# Altium PCB PCB-MB202-00.PcbDoc (part 5 of 7)
Units mm, origin at the board's own origin, x right, y up, seen from the top; angles counter-clockwise.
Board outline 300.6 x 146 mm, 2 copper layers (Top Layer, Bottom Layer); 493 components, 371 nets, 1609 pads, 6249 vias.
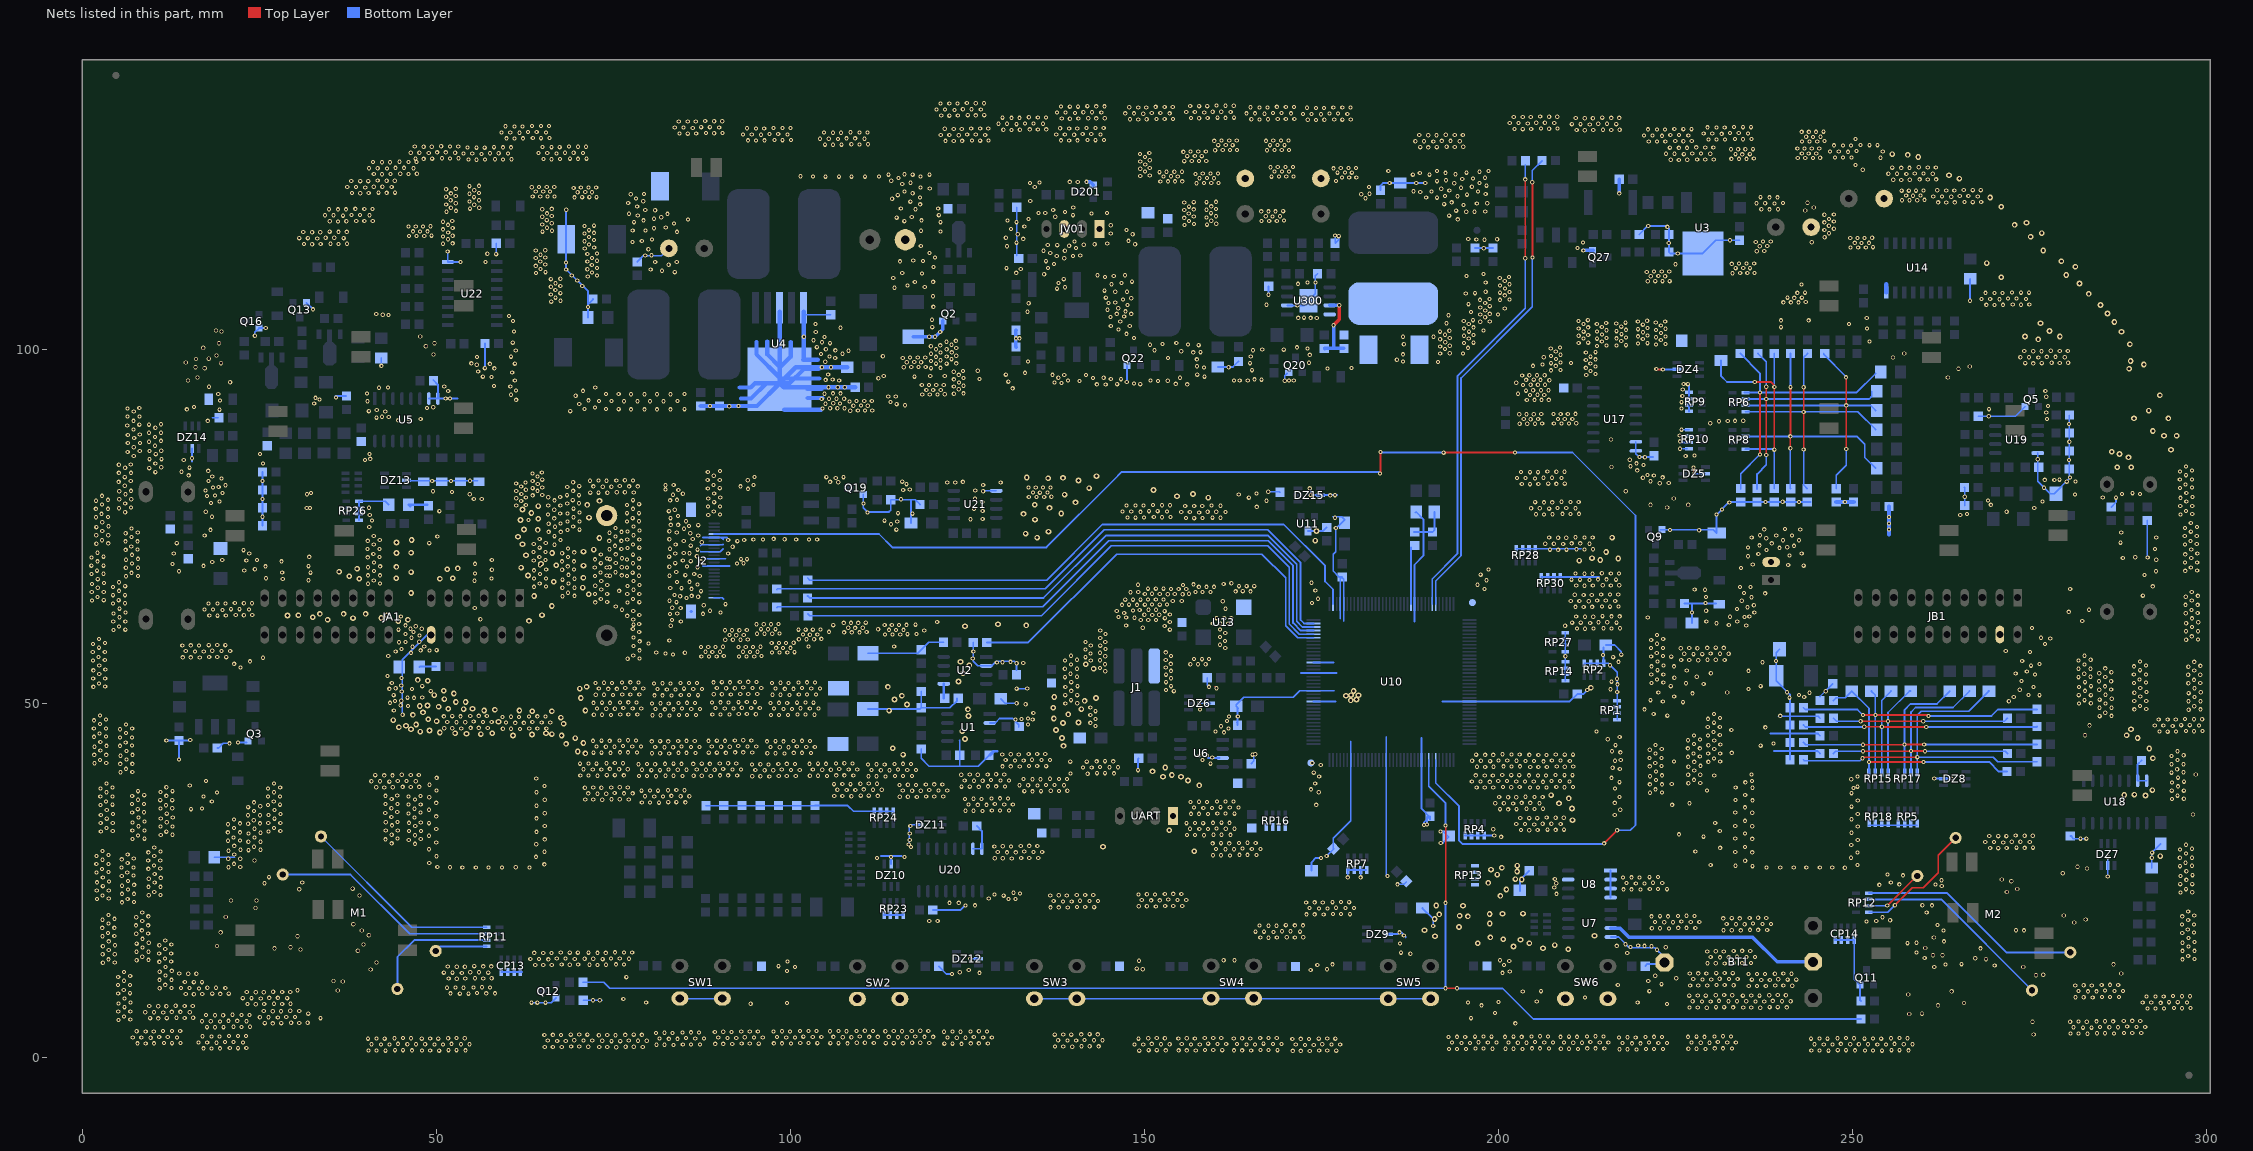
[diagram p5: the nets of this part, all layers, seen from the top]

## Via types
v1: diameter 0.6, hole 0.3, Top Layer to Bottom Layer, 5795 vias
v2: diameter 0.8, hole 0.4, Top Layer to Bottom Layer, 342 vias
v3: diameter 0.6, hole 0.4, Top Layer to Bottom Layer, 92 vias
v4: diameter 0.6, hole 0.3, Top Layer to Bottom Layer, tented both sides, 20 vias

## Nets (pads, with @x,y where several pads share a name; then routed paths per layer and width w, separated by ;. In a path a pad name is that pad's centre, name@x,y a point inside that pad or via, vN(x,y) a via of type N, cw(c..) or ccw(c..) an arc to the next point about the centre after c; other vN are vias at no path point) (continued)
GND: (continued)
  other v1: 50.457,77.216 82.868,77.216 150.686,77.216 151.905,77.216 127.191,77.241 297.142,77.241 66.686,77.419 83.706,77.419 231.61,77.445 125.972,77.521 1.943,77.546 3.645,77.546 77.813,77.546 69.406,77.572 207.201,77.572 5.22,77.622 204.661,77.622 205.88,77.622 210.935,77.622 31.725,77.648 32.207,77.648 208.395,77.673 209.614,77.673 275.705,77.673 40.526,77.699 6.922,77.749 165.9,77.826 88.405,77.876 90.107,77.876 157.061,77.927 158.204,77.927 155.791,77.953 296.329,77.953 298.031,77.953 160.795,77.978 148.781,78.003 149.924,78.003 159.525,78.003 61.329,78.029 65.848,78.029 67.55,78.029 147.511,78.029 152.515,78.054 153.658,78.054 62.675,78.08 76.975,78.08 151.245,78.08 269.583,78.105 2.807,78.156 78.677,78.207 6.084,78.283 68.517,78.283 110.376,78.308 70.193,78.334 18.199,78.359 232.652,78.435 206.49,78.461 207.633,78.461 89.269,78.486 205.22,78.486 248.958,78.491 127.14,78.511 210.223,78.511 211.366,78.511 237.757,78.516 242.481,78.516 208.953,78.537 240.18,78.537 19.419,78.562 297.193,78.562 276.873,78.588 62.014,78.664 1.969,78.689 167.272,78.689 269.177,78.715 66.737,78.74 83.058,78.74 69.304,78.765 77.813,78.765 3.671,78.816 84.011,78.816 5.245,78.892 6.947,78.892 115.659,78.892 25.469,78.918 55.334,78.943 56.452,78.943 126.124,78.994 88.43,79.019 61.329,79.045 296.355,79.096 164.783,79.121 62.675,79.146 90.132,79.146 285.382,79.146 65.848,79.172 133.719,79.197 134.785,79.197 135.878,79.197 67.524,79.223 298.057,79.223 136.894,79.248 265.899,79.248 17.641,79.35 2.807,79.375 18.758,79.426 63.64,79.451 176.289,79.451 68.491,79.477 70.193,79.477 176.949,79.479 64.986,79.502 83.452,79.527 163.36,79.553 281.47,79.553 6.134,79.604 31.775,79.604 54.75,79.604 62.04,79.629 288.1,79.629 290.64,79.629 84.849,79.68 89.269,79.705 165.875,79.705 289.573,79.756 19.85,79.781 32.334,79.781 297.193,79.781 74.19,79.807 71.777,79.832 72.92,79.832 135.268,79.832 77.923,79.858 134.303,79.858 136.335,79.858 75.51,79.883 76.653,79.883 52.235,79.934 5.245,80.035 49.568,80.035 61.329,80.061 6.922,80.086 64.326,80.086 69.355,80.086 17.437,80.137 126.149,80.137 84.214,80.213 115.964,80.213 62.675,80.239 116.904,80.264 82.385,80.289 94.044,80.366 88.38,80.416 63.64,80.467 90.056,80.467 296.304,80.493 277.102,80.518 133.668,80.543 134.684,80.543 135.7,80.543 297.98,80.543 18.479,80.569 64.986,80.569 136.767,80.569 19.292,80.62 68.517,80.62 73.529,80.67 74.748,80.67 62.014,80.696 72.208,80.721 77.263,80.721 78.482,80.721 93.002,80.721 70.219,80.747 75.942,80.772 6.033,80.797 20.257,80.874 82.385,80.874 89.167,80.899 127.267,80.899 83.554,80.924 94.831,80.924 297.091,80.975 116.447,81.026 204.483,81.026 64.351,81.051 203.34,81.051 205.677,81.051 208.217,81.077 207.074,81.102 209.411,81.102 61.303,81.128 222.822,81.153 224.092,81.178 62.624,81.255 129.731,81.255 122.187,81.28 123.33,81.28 69.355,81.305 106.795,81.305 5.169,81.356 105.652,81.356 124.397,81.356 115.837,81.382 280.302,81.382 281.547,81.407 221.526,81.432 17.869,81.458 25.469,81.458 6.871,81.483 49.448,81.483 52.108,81.483 63.64,81.483 54.775,81.511 71.726,81.509 74.063,81.509 72.92,81.534 75.46,81.559 77.796,81.559 76.653,81.585 94.018,81.585 88.354,81.61 90.056,81.61 278.549,81.61 277.203,81.636 64.986,81.661 279.286,81.661 296.279,81.686 297.98,81.686 19.698,81.813 205.194,81.839 202.654,81.89 203.873,81.89 208.928,81.89 106.439,81.915 206.388,81.94 207.607,81.94 220.434,81.94 280.759,81.966 223.228,81.991 6.033,82.017 105.118,82.017 107.531,82.017 94.958,82.042 18.377,82.093 64.326,82.118 89.218,82.22 221.984,82.245 15.05,82.271 297.142,82.296 221.095,82.321 63.615,82.55 5.195,82.626 6.896,82.626 64.935,82.677 10.351,82.728 204.483,82.728 205.626,82.728 88.38,82.753 203.213,82.753 14.034,82.779 208.217,82.779 209.36,82.779 206.947,82.804 296.304,82.829 90.081,82.88 17.818,82.906 298.006,82.956 219.647,82.982 9.487,83.287 6.084,83.337 15.177,83.363 11.189,83.414 297.142,83.515 218.682,83.566 220.51,83.744 5.195,83.769 6.871,83.82 10.351,83.947 25.54,83.947 219.52,83.972 39.967,84.43 14.364,84.455 280.632,84.455 218.58,84.48 9.513,84.557 11.214,84.557 276.213,84.555 40.704,84.607 15.535,84.684 220.714,84.836 219.952,84.866 7.303,85.014 226.479,85.014 227.724,85.065 10.402,85.268 25.134,85.293 40.602,85.293 6.439,85.573 8.141,85.7 9.513,85.7 11.189,85.75 225.667,86.03 7.303,86.233 10.3,86.462 6.465,86.843 8.166,86.843 9.436,87.02 280.669,87.02 225.692,87.071 11.138,87.147 7.354,87.554 10.3,87.681 225.641,87.884 6.465,87.986 8.141,88.036 9.462,88.29 11.164,88.29 7.252,88.748 10.351,89.002 6.388,89.306 8.09,89.433 9.462,89.433 11.138,89.484 280.632,89.535 203.035,89.56 204.102,89.56 205.194,89.56 207.861,89.586 208.928,89.586 210.02,89.586 206.21,89.611 211.036,89.637 229.959,89.637 231.178,89.916 232.423,89.941 7.252,89.967 17.742,89.967 233.464,89.967 234.607,89.992 44.641,90.043 46.165,90.17 204.585,90.195 203.619,90.221 205.651,90.221 209.411,90.221 47.816,90.246 208.445,90.246 210.477,90.246 277.52,90.246 41.593,90.424 43.32,90.5 42.355,90.551 6.414,90.576 8.116,90.576 269.278,90.627 202.984,90.907 204,90.907 205.016,90.907 206.083,90.932 207.81,90.932 208.826,90.932 209.842,90.932 210.909,90.957 277.406,91.161 7.303,91.288 42.812,91.288 40.501,91.338 68.949,91.338 108.496,91.389 109.563,91.415 110.579,91.415 111.595,91.415 41.618,91.491 19.419,91.549 14.796,91.592 77.534,91.592 79.439,91.592 81.217,91.592 83.122,91.592 75.781,91.618 85.078,91.618 269.329,91.618 70.955,91.643 74.003,91.643 6.414,91.719 104.585,91.719 225.895,91.719 105.652,91.745 106.668,91.745 107.684,91.745 8.09,91.77 48.73,91.796 72.428,91.846 49.594,91.897 15.812,91.923 91.402,92.024 92.698,92.05 277.66,92.05 88.684,92.075 108.928,92.1 110.96,92.1 109.995,92.126 116.218,92.177 115.05,92.329 70.219,92.354 104.991,92.38 32.779,92.431 107.049,92.431 106.083,92.456 225.895,92.608 114.161,92.634 108.369,92.71 40.297,92.735 76.543,92.735 78.448,92.735 80.226,92.735 82.131,92.735 74.791,92.761 84.087,92.761 109.385,92.761 110.478,92.761 111.544,92.761 73.013,92.786 19.495,92.837 71.539,92.862 204.051,92.913 61.303,92.939 205.118,92.939 206.134,92.939 207.15,92.939 33.541,92.989 104.458,93.04 105.474,93.091 106.566,93.091 107.633,93.091 32.955,93.218 35.878,93.269 277.406,93.37 113.856,93.396 114.923,93.421 226.015,93.472 69.711,93.523 204.483,93.624 206.515,93.624 60.567,93.65 205.55,93.65 118.656,93.675 119.723,93.675 120.815,93.675 77.534,93.726 79.439,93.726 81.217,93.726 83.122,93.726 121.831,93.726 75.781,93.751 85.078,93.751 19.241,93.777 74.003,93.777 104.839,93.802 123.127,93.802 202.807,93.802 40.247,93.828 106.058,93.853 107.125,93.853 124.473,93.853 51.702,94.183 277.279,94.183 70.752,94.209 203.924,94.234 61.278,94.259 204.94,94.285 206.032,94.285 207.099,94.285 120.206,94.31 119.241,94.336 121.273,94.336 226.073,94.386 123.813,94.437 131.433,94.564 41.948,94.64 43.193,94.666 72.479,94.666 105.423,94.717 106.718,94.717 107.709,94.717 17.92,94.793 51.143,94.818 60.49,94.818 123.127,94.818 58.179,94.894 124.473,94.92 118.606,95.021 119.622,95.021 120.638,95.021 121.704,95.047 203.518,95.047 204.585,95.072 205.601,95.072 206.617,95.072 144.564,95.098 143.32,95.123 156.096,95.123 146.19,95.148 149.441,95.148 154.47,95.199 148.552,95.25 138.341,95.326 202.553,95.352 137.325,95.377 123.838,95.402 20.917,95.428 147.536,95.453 130.823,95.504 151.956,95.58 140.881,95.606 153.327,95.631 106.922,95.656 139.256,95.656 162.7,95.656 163.487,95.656 164.63,95.656 61.125,95.682 150.914,95.682 170.472,95.682 171.133,95.682 207.226,95.707 105.017,95.758 203.95,95.758 205.982,95.758 166.561,95.783 205.016,95.783 106.007,95.809 123.127,95.834 165.596,95.834 146.749,95.86 126.759,95.885 145.301,95.885 112.459,95.987 124.473,96.012 142.761,96.012 137.884,96.063 144.285,96.063 155.08,96.063 57.823,96.164 56.604,96.215 117.564,96.215 158.509,96.215 113.221,96.291 119.799,96.291 121.831,96.291 203.391,96.368 204.407,96.418 205.499,96.418 206.566,96.418 138.722,96.444 141.796,96.444 212.433,96.444 123.813,96.469 137.046,96.469 130.467,96.495 157.493,96.495 105.372,96.52 213.754,96.571 133.185,96.749 60.744,96.799 123.101,96.901 55.944,96.952 213.043,97.003 124.422,97.028 126.505,97.053 207.455,97.104 165.24,97.13 208.801,97.155 175.883,97.358 58.23,97.384 119.901,97.409 179.286,97.434 121.247,97.46 212.382,97.46 158.458,97.511 104.483,97.536 105.779,97.536 116.04,97.536 161.938,97.536 117.107,97.561 118.123,97.561 119.139,97.561 213.729,97.638 157.468,97.688 42.266,97.739 204.915,97.739 208.141,97.739 55.741,97.892 206.261,97.917 57.595,98.019 61.125,98.044 120.587,98.044 122.111,98.044 213.017,98.069 54.979,98.095 123.457,98.095 275.578,98.095 164.935,98.12 207.455,98.12 274.435,98.12 276.771,98.12 210.3,98.146 279.311,98.146 173.266,98.171 278.168,98.171 280.505,98.171 208.801,98.222 116.472,98.247 118.504,98.247 117.539,98.273 191.504,98.273 104.966,98.323 133.592,98.349 186.551,98.349 119.901,98.425 121.247,98.527 212.382,98.552 185.687,98.603 157.442,98.654 213.729,98.654 122.797,98.679 208.166,98.704 106.363,98.857 115.913,98.857 153.378,98.857 116.929,98.908 118.021,98.908 119.088,98.908 276.289,98.908 206.439,98.958 273.749,98.958 274.968,98.958 280.023,98.958 55.791,98.984 120.612,99.009 277.483,99.009 278.702,99.009 60.592,99.035 213.043,99.035 105.55,99.06 122.111,99.06 165.062,99.06 113.094,99.085 207.455,99.136 123.457,99.162 173.393,99.289 208.801,99.314 186.576,99.365 104.356,99.416 107.404,99.441 119.901,99.441 191.808,99.466 195.034,99.466 193.155,99.517 121.247,99.619 212.382,99.619 122.822,99.644 156.934,99.644 157.976,99.67 213.729,99.67 208.141,99.771 155.232,99.797 275.578,99.797 276.721,99.797 274.308,99.822 279.311,99.847 280.454,99.847 108.242,99.873 278.041,99.873 61.252,99.898 106.388,99.924 151.473,99.949 165.367,99.949 169.71,100.025 166.688,100.051 105.042,100.076 120.587,100.076 122.111,100.076 192.494,100.101 173.089,100.203 207.429,100.203 123.457,100.254 195.745,100.279 208.75,100.33 171.59,100.355 103.772,100.381 191.808,100.482 119.876,100.508 213.957,100.559 193.155,100.584 215.303,100.609 216.7,100.609 121.196,100.635 157.696,100.66 218.047,100.66 122.797,100.711 150.838,100.711 156.198,100.762 222.288,100.762 186.678,100.787 223.635,100.813 152.591,100.838 219.748,100.889 105.626,100.94 221.095,100.94 154.547,100.965 195.161,100.965 211.366,100.965 60.821,101.016 196.507,101.016 212.713,101.016 104.509,101.067 192.52,101.067 122.085,101.143 214.643,101.194 252.438,101.194 217.386,101.244 123.406,101.27 103.289,101.346 222.974,101.397 191.808,101.498 220.434,101.524 213.957,101.575 195.847,101.6 212.052,101.6 131.89,101.625 132.398,101.625 216.7,101.625 148.552,101.676 193.155,101.676 215.303,101.676 218.047,101.727 222.288,101.778 104.864,101.829 119.647,101.839 120.46,101.839 101.936,101.854 186.576,101.854 190.869,101.854 223.635,101.879 219.748,101.905 195.161,101.981 211.366,101.981 221.095,102.006 196.507,102.083 212.713,102.083 192.494,102.133 214.668,102.159 217.412,102.21 147.511,102.26 223,102.362 220.46,102.489 103.62,102.514 121.189,102.533 191.783,102.565 195.872,102.565 212.078,102.565 60.998,102.591 213.957,102.591 216.7,102.641 193.104,102.692 197.93,102.718 215.303,102.768 222.288,102.794 218.047,102.819 146.393,102.87 219.748,102.921 223.635,102.972 195.161,102.997 211.366,102.997 252.108,102.997 221.095,103.099 107.099,103.124 196.507,103.175 212.713,103.175 120.079,103.2 239.941,103.2 214.643,103.226 217.386,103.276 145.301,103.353 147.968,103.353 222.974,103.429 220.434,103.556 103.594,103.632 195.847,103.632 212.052,103.632 213.932,103.657 249.543,103.657 216.675,103.708 192.697,103.759 215.253,103.784 217.996,103.835 222.263,103.861 197.473,103.962 146.622,103.988 219.723,103.988 223.584,103.988 198.819,104.013 60.871,104.064 195.136,104.064 211.341,104.064 221.044,104.115 239.941,104.165 243.853,104.165 196.457,104.191 212.662,104.191 120.028,104.242 174.384,104.496 252.057,104.496 171.768,104.521 173.52,104.521 172.581,104.546 198.158,104.597 145.25,104.648 147.181,104.699 60.287,104.775 192.977,104.877 43.282,104.927 42.469,104.953 197.473,104.978 199.962,105.004 41.554,105.054 146.139,105.08 148.171,105.08 198.819,105.08 196.152,105.359 133.515,105.385 147.384,105.435 198.184,105.562 144.818,105.664 200.927,105.842 146.342,105.867 197.473,105.994 71.438,106.045 120.231,106.07 198.819,106.172 171.641,106.277 147.663,106.324 270.091,106.324 268.948,106.35 271.285,106.35 167.297,106.375 273.825,106.375 272.682,106.401 275.019,106.401 195.796,106.451 133.693,106.578 144.971,106.604 198.158,106.629 145.911,106.68 240.272,106.705 241.338,106.705 242.431,106.705 243.447,106.756 66.256,106.807 67.577,106.934 197.447,107.061 200.241,107.061 147.028,107.112 201.587,107.112 270.802,107.137 198.768,107.188 268.262,107.188 269.482,107.188 274.536,107.188 271.996,107.239 273.215,107.239 148.171,107.29 241.821,107.34 66.866,107.366 144.59,107.366 240.856,107.366 242.888,107.366 120.18,107.569 200.927,107.696 66.205,107.823 195.415,107.95 67.552,108.001 196.736,108.001 270.091,108.026 271.234,108.026 242.253,108.052 268.821,108.052 200.241,108.077 243.32,108.077 273.825,108.077 274.968,108.077 272.555,108.102 201.587,108.179 145.911,108.204 147.587,108.204 198.235,108.204 144.412,108.356 66.84,108.433 137.681,108.636 200.952,108.661 114.745,108.763 138.824,108.839 119.012,108.864 66.205,108.915 67.552,109.017 70.65,109.017 116.574,109.093 200.241,109.093 242.837,109.22 145.377,109.271 201.587,109.271 171.742,109.322 66.866,109.398 137.91,109.423 146.8,109.449 173.089,109.499 174.206,109.499 198.235,109.525 117.615,109.576 120.206,109.601 148.298,109.626 221.12,109.677 222.187,109.703 223.203,109.703 224.219,109.703 200.927,109.728 69.933,109.785 66.205,109.982 138.646,109.982 67.552,110.033 114.567,110.134 200.216,110.16 144.463,110.287 201.537,110.287 71.412,110.363 221.552,110.388 223.584,110.388 222.619,110.414 145.707,110.439 195.542,110.439 72.733,110.49 69.152,110.515 143.396,110.541 147.308,110.541 135.878,110.668 197.93,110.719 118.631,110.769 233.109,110.82 64.123,110.846 115.837,110.846 234.176,110.846 235.192,110.846 236.208,110.846 131.941,110.871 72.022,110.922 65.443,110.973 83.706,110.973 220.993,110.998 222.009,111.049 223.101,111.049 224.168,111.049 81.903,111.176 80.302,111.354 71.362,111.379 64.732,111.404 132.576,111.404 130.569,111.531 233.541,111.531 235.573,111.531 72.708,111.557 136.436,111.557 234.607,111.557 120.257,111.709 64.072,111.862 71.997,111.989 82.842,112.014 65.418,112.039 225.032,112.09 137.275,112.116 232.982,112.141 233.998,112.192 235.09,112.192 236.157,112.192 68.339,112.319 56.96,112.395 80.937,112.395 83.985,112.42 64.707,112.471 71.362,112.471 115.532,112.497 136.132,112.522 118.783,112.56 72.708,112.573 117.386,112.624 138.722,112.928 64.072,112.954 72.022,112.954 65.418,113.055 120.472,113.055 137.656,113.259 139.967,113.259 79.547,113.309 140.983,113.335 80.429,113.36 64.732,113.436 71.362,113.538 57.239,113.563 72.708,113.589 225.362,113.622 119.672,113.665 136.741,113.69 236.512,113.919 237.579,113.944 135.776,113.995 138.799,113.995 64.072,114.021 65.418,114.071 79.972,114.198 70.999,114.313 197.955,114.351 140.373,114.376 211.214,114.376 72.32,114.44 249.771,114.452 250.838,114.452 251.93,114.452 252.946,114.503 118.462,114.647 130.645,114.63 236.944,114.63 238.011,114.656 139.408,114.706 137.732,114.783 136.386,114.808 141.466,114.833 71.608,114.872 32.5,114.91 143.015,114.91 148.73,114.91 31.357,114.935 33.693,114.935 36.233,114.96 35.09,114.986 37.427,114.986 50.991,114.986 144.793,115.011 52.337,115.037 224.092,115.087 251.321,115.087 250.355,115.113 252.387,115.113 131.966,115.138 211.976,115.164 244.285,115.189 77.737,115.214 236.385,115.24 237.401,115.291 238.494,115.291 70.948,115.329 140.17,115.316 79.058,115.367 147.79,115.392 232.753,115.473 72.294,115.507 198.082,115.545 80.48,115.57 196.914,115.595 51.677,115.621 199.86,115.621 195.771,115.646 132.931,115.672 33.211,115.722 30.671,115.773 31.89,115.773 36.945,115.773 249.72,115.799 250.736,115.799 251.752,115.799 34.405,115.824 35.624,115.824 130.467,115.824 252.819,115.824 246.114,115.9 71.583,115.939 50.991,116.002 46.165,116.078 47.232,116.078 48.324,116.078 52.337,116.103 49.34,116.129 132.144,116.332 148.374,116.332 70.948,116.422 145.276,116.434 246.723,116.459 72.294,116.523 51.702,116.586 32.5,116.611 33.643,116.611 31.23,116.637 36.233,116.662 37.376,116.662 84.011,116.662 34.963,116.688 65.037,116.688 47.714,116.713 121.234,116.713 46.749,116.738 48.781,116.738 66.358,116.815 118.491,116.815 79.566,116.84 77.762,116.865 71.608,116.904 147.511,116.916 246.063,116.916 50.991,117.018 131.204,117.069 247.409,117.094 80.76,117.17 52.337,117.196 65.647,117.246 82.436,117.272 223.889,117.373 46.114,117.424 47.13,117.424 48.146,117.424 133.084,117.424 49.213,117.45 70.948,117.488 221.196,117.5 72.294,117.539 246.698,117.526 145.276,117.602 155.715,117.627 51.677,117.653 158.865,117.678 64.986,117.704 157.036,117.754 160.185,117.805 83.604,117.831 66.332,117.881 246.063,118.008 77.966,118.034 121.234,118.034 131.966,118.034 50.965,118.085 247.409,118.11 36.132,118.135 34.989,118.161 37.326,118.161 116.135,118.174 39.866,118.186 156.325,118.186 38.723,118.212 41.059,118.212 52.286,118.212 166.586,118.212 167.653,118.212 168.745,118.212 159.474,118.237 130.696,118.262 169.761,118.262 79.286,118.288 118.555,118.288 65.621,118.313 85.586,118.415 194.298,118.43 133.668,118.466 246.723,118.491 80.76,118.516 155.664,118.643 115.05,118.669 158.814,118.694 81.801,118.72 117.183,118.77 64.986,118.796 137.452,118.796 157.01,118.821 168.136,118.847 160.16,118.872 167.17,118.872 169.202,118.872 66.332,118.897 36.843,118.948 193.078,118.948 78.474,118.974 34.303,118.999 35.522,118.999 40.577,118.999 121.006,119.024 139.967,119.024 38.037,119.05 39.256,119.05 246.063,119.075 247.409,119.126 82.665,119.202 77.254,119.228 142.558,119.253 156.299,119.253 65.647,119.278 159.449,119.304 135.065,119.329 136.03,119.329 144.768,119.329 138.824,119.482 51.473,119.507 195.491,119.507 196.66,119.507 198.184,119.532 166.535,119.558 167.551,119.558 168.567,119.558 169.634,119.583 52.794,119.634 194.069,119.659 80.937,119.71 155.664,119.736 79.54,119.761 137.148,119.761 158.814,119.786 36.132,119.837 37.275,119.837 157.01,119.837 238.316,119.837 34.862,119.863 64.986,119.863 117.691,119.863 237.173,119.863 239.51,119.863 39.866,119.888 41.009,119.888 160.16,119.888 38.596,119.913 66.332,119.913 54.775,119.939 115.634,119.964 120.904,119.964 52.083,120.066 56.096,120.066 139.992,120.117 156.325,120.218 78.397,120.244 159.474,120.269 195.11,120.472 55.385,120.498 51.423,120.523 118.364,120.548 192.367,120.574 196.99,120.65 239.027,120.65 52.769,120.701 198.463,120.701 236.487,120.701 237.706,120.701 77.127,120.726 240.221,120.752 155.664,120.802 263.284,120.802 193.434,120.828 262.141,120.828 264.478,120.828 157.01,120.853 158.814,120.853 267.018,120.853 265.875,120.879 268.212,120.879 160.16,120.904 116.98,120.929 54.725,120.955 79.261,120.98 133.922,121.031 52.058,121.133 56.071,121.133 257.036,121.133 258.102,121.133 259.195,121.133 260.211,121.183 114.415,121.336 78.245,121.361 181.267,121.412 191.377,121.488 118.326,121.514 189.827,121.514 69.558,121.539 238.316,121.539 239.459,121.539 55.36,121.564 70.625,121.564 71.641,121.564 72.657,121.564 237.046,121.564 51.423,121.615 263.995,121.615 63.64,121.641 64.707,121.666 65.723,121.666 66.739,121.666 261.455,121.666 262.674,121.666 267.729,121.666 194.272,121.691 52.769,121.717 265.189,121.717 266.408,121.717 192.494,121.742 258.585,121.768 257.62,121.793 259.652,121.793 115.202,121.844 195.593,121.92 77.483,121.971 180.658,121.971 198.235,121.996 79.363,122.022 54.725,122.047 181.826,122.047 52.083,122.098 39.281,122.123 117.31,122.123 38.138,122.149 40.475,122.149 56.071,122.149 43.015,122.174 41.872,122.199 44.209,122.199 69.99,122.25 72.022,122.25 71.057,122.276 188.989,122.301 64.072,122.352 66.104,122.352 116.142,122.352 65.139,122.377 190.589,122.377 197.142,122.377 188.049,122.403 256.985,122.479 258.001,122.479 259.017,122.479 193.104,122.504 260.084,122.504 263.284,122.504 264.427,122.504 55.385,122.53 262.014,122.53 267.018,122.555 268.161,122.555 265.748,122.58 51.423,122.682 52.769,122.733 191.961,122.758 119.723,122.784 69.431,122.86 194.755,122.885 70.447,122.911 71.539,122.911 72.606,122.911 118.402,122.911 39.993,122.936 63.513,122.961 37.453,122.987 38.672,122.987 43.726,122.987 134.557,122.987 64.529,123.012 65.621,123.012 66.688,123.012 181.75,123.012 41.186,123.038 42.406,123.038 196.279,123.038 54.725,123.114 56.071,123.165 198.362,123.19 115.837,123.419 157.391,123.52 193.79,123.52 133.871,123.546 158.458,123.546 159.474,123.546 160.49,123.546 184.671,123.571 188.43,123.571 197.371,123.571 117.005,123.596 135.217,123.647 140.627,123.698 139.484,123.723 152.286,123.774 153.353,123.8 154.369,123.8 155.385,123.8 39.281,123.825 40.424,123.825 191.377,123.825 38.011,123.85 177.102,123.85 43.015,123.876 44.158,123.876 114.288,123.876 41.745,123.901 192.621,123.952 256.934,124.003 255.791,124.028 258.128,124.028 260.668,124.054 259.525,124.079 261.862,124.079 194.933,124.13 196.457,124.206 157.823,124.231 159.855,124.231 115.304,124.257 158.89,124.257 198.133,124.308 177.94,124.333 178.956,124.333 179.972,124.333 104.991,124.46 106.896,124.46 108.674,124.46 110.579,124.46 167.983,124.46 103.239,124.485 112.535,124.485 118.428,124.485 152.718,124.485 154.75,124.485 169.05,124.485 170.066,124.485 171.082,124.485 101.461,124.511 153.785,124.511 149.441,124.562 150.787,124.612 113.881,124.739 117.31,124.739 119.698,124.739 187.948,124.739 190.31,124.739 42.355,124.79 116.142,124.79 193.967,124.79 41.212,124.816 43.549,124.816 257.645,124.816 46.089,124.841 157.264,124.841 44.946,124.866 47.282,124.866 255.105,124.866 256.324,124.866 261.379,124.866 158.28,124.892 159.373,124.892 160.439,124.892 258.839,124.917 260.058,124.917 188.938,124.968 192.57,124.993 177.305,125.019 179.337,125.019 195.542,125.019 178.372,125.044 152.159,125.095 153.175,125.146 154.267,125.146 155.334,125.146 197.346,125.146 168.415,125.171 170.447,125.171 150.127,125.197 169.482,125.197 184.493,125.247 191.377,125.273 198.641,125.273 251.498,125.425 149.441,125.578 43.066,125.603 176.746,125.628 40.526,125.654 41.745,125.654 46.8,125.654 150.787,125.679 177.762,125.679 178.854,125.679 179.921,125.679 44.26,125.705 45.479,125.705 256.934,125.705 258.077,125.705 255.664,125.73 260.668,125.755 261.811,125.755 167.856,125.781 259.398,125.781 168.872,125.832 169.964,125.832 171.031,125.832 250.457,126.111 150.152,126.162 42.355,126.492 43.498,126.492 41.085,126.517 46.089,126.543 47.232,126.543 44.819,126.568 149.441,126.594 155.664,126.644 156.731,126.67 157.747,126.67 158.763,126.67 150.787,126.771 225.514,126.822 55.715,126.848 224.371,126.848 226.708,126.848 54.572,126.873 56.909,126.873 229.248,126.873 59.449,126.898 228.105,126.898 230.442,126.898 58.306,126.924 60.643,126.924 66.307,126.924 65.164,126.949 67.501,126.949 48.248,126.975 70.041,126.975 232.931,126.975 233.998,126.975 235.09,126.975 47.105,127 49.441,127 68.898,127 71.235,127 51.981,127.025 236.106,127.025 50.838,127.051 53.175,127.051 242.304,127.076 243.37,127.076 244.463,127.076 245.479,127.127 253.988,127.127 248.704,127.152 247.561,127.178 249.898,127.178 150.127,127.229 156.096,127.356 158.128,127.356 157.163,127.381 234.48,127.61 226.225,127.635 233.515,127.635 235.547,127.635 56.426,127.66 149.416,127.66 223.685,127.686 224.905,127.686 229.959,127.686 53.886,127.711 55.106,127.711 60.16,127.711 243.853,127.711 67.018,127.737 227.419,127.737 228.638,127.737 242.888,127.737 244.92,127.737 57.62,127.762 58.839,127.762 48.959,127.787 64.478,127.787 65.697,127.787 70.752,127.787 150.737,127.787 46.419,127.838 47.638,127.838 52.693,127.838 68.212,127.838 69.431,127.838 50.153,127.889 51.372,127.889 155.537,127.965 249.416,127.965 156.553,128.016 157.645,128.016 158.712,128.016 246.876,128.016 248.095,128.016 254.318,128.016 250.609,128.067 160.033,128.194 167.348,128.194 161.1,128.219 162.116,128.219 163.132,128.219 168.415,128.219 169.431,128.219 170.447,128.219 232.88,128.321 233.896,128.321 234.912,128.321 235.979,128.346 242.253,128.422 243.269,128.422 244.285,128.422 245.352,128.448 225.514,128.524 226.657,128.524 55.715,128.549 56.858,128.549 224.244,128.549 54.445,128.575 229.248,128.575 230.391,128.575 59.449,128.6 60.592,128.6 190.132,128.6 227.978,128.6 58.179,128.626 66.307,128.626 67.45,128.626 188.989,128.626 191.326,128.626 65.037,128.651 193.866,128.651 48.248,128.676 49.391,128.676 70.041,128.676 71.184,128.676 192.723,128.676 195.06,128.676 46.978,128.702 68.771,128.702 51.981,128.727 53.124,128.727 50.711,128.753 248.704,128.854 249.847,128.854 247.434,128.88 160.465,128.905 162.497,128.905 167.78,128.905 169.812,128.905 252.438,128.905 253.581,128.905 161.532,128.93 168.847,128.93 251.168,128.93 106.058,128.956 104.915,128.981 107.252,128.981 109.792,129.007 108.649,129.032 110.986,129.032 190.843,129.413 222.415,129.413 221.272,129.438 223.609,129.438 242.913,129.438 243.98,129.438 245.072,129.438 188.303,129.464 189.522,129.464 194.577,129.464 226.149,129.464 123.101,129.489 225.006,129.489 227.343,129.489 246.088,129.489 121.958,129.515 124.295,129.515 159.906,129.515 167.221,129.515 192.037,129.515 193.256,129.515 126.835,129.54 95.187,129.565 125.692,129.565 128.029,129.565 139.408,129.565 160.922,129.565 162.014,129.565 163.081,129.565 168.237,129.565 169.329,129.565 170.396,129.565 94.044,129.591 96.381,129.591 138.265,129.591 140.602,129.591 98.921,129.616 143.142,129.616 97.778,129.642 100.114,129.642 141.999,129.642 144.336,129.642 230.848,129.692 229.705,129.718 232.042,129.718 234.582,129.743 106.769,129.769 233.439,129.769 235.776,129.769 250.482,129.794 104.229,129.819 105.448,129.819 110.503,129.819 61.075,129.845 59.932,129.87 62.268,129.87 107.963,129.87 109.182,129.87 64.808,129.896 63.665,129.921 66.002,129.921 244.463,130.073 243.497,130.099 245.529,130.099 223.127,130.226 220.587,130.277 221.806,130.277 226.86,130.277 123.813,130.302 190.132,130.302 191.275,130.302 188.862,130.327 224.32,130.327 225.54,130.327 121.273,130.353 122.492,130.353 127.546,130.353 193.866,130.353 195.009,130.353 95.898,130.378 140.119,130.378 192.596,130.378 125.006,130.404 126.226,130.404 93.358,130.429 94.577,130.429 99.632,130.429 137.579,130.429 138.799,130.429 143.853,130.429 97.092,130.48 98.311,130.48 141.313,130.48 142.532,130.48 231.559,130.505 85.535,130.531 84.392,130.556 86.729,130.556 229.019,130.556 230.239,130.556 235.293,130.556 89.269,130.581 88.126,130.607 90.462,130.607 232.753,130.607 233.972,130.607 61.786,130.658 106.058,130.658 107.201,130.658 104.788,130.683 59.246,130.708 60.465,130.708 65.52,130.708 109.792,130.708 110.935,130.708 108.522,130.734 62.98,130.759 64.199,130.759 242.862,130.785 243.878,130.785 244.894,130.785 245.961,130.81 212.23,131.013 211.087,131.039 213.424,131.039 131.255,131.064 215.964,131.064 130.112,131.089 132.449,131.089 214.821,131.089 217.158,131.089 134.989,131.115 222.415,131.115 223.558,131.115 133.846,131.14 136.182,131.14 221.145,131.14 203.467,131.166 226.149,131.166 227.292,131.166 123.101,131.191 124.244,131.191 202.324,131.191 204.661,131.191 224.879,131.191 121.831,131.216 207.201,131.216 126.835,131.242 127.978,131.242 206.058,131.242 208.395,131.242 95.187,131.267 96.33,131.267 125.565,131.267 139.408,131.267 140.551,131.267 93.917,131.293 138.138,131.293 98.921,131.318 100.064,131.318 143.142,131.318 144.285,131.318 86.246,131.343 97.651,131.343 141.872,131.343 83.706,131.394 84.925,131.394 89.98,131.394 230.848,131.394 231.991,131.394 229.578,131.42 87.44,131.445 88.659,131.445 234.582,131.445 235.725,131.445 233.312,131.47 61.075,131.547 62.218,131.547 59.805,131.572 64.808,131.597 65.951,131.597 63.538,131.623 212.941,131.826 131.966,131.877 210.401,131.877 211.62,131.877 216.675,131.877 129.426,131.928 130.645,131.928 135.7,131.928 214.135,131.928 215.354,131.928 133.16,131.978 134.379,131.978 204.178,131.978 201.638,132.029 202.857,132.029 207.912,132.029 205.372,132.08 206.591,132.08 85.535,132.232 86.678,132.232 84.265,132.258 89.269,132.283 90.412,132.283 87.999,132.309 174.257,132.461 173.114,132.486 175.451,132.486 177.991,132.512 149.162,132.537 166.281,132.537 176.848,132.537 179.185,132.537 148.019,132.563 150.356,132.563 165.138,132.563 167.475,132.563 152.896,132.588 170.015,132.588 151.753,132.613 154.089,132.613 168.872,132.613 171.209,132.613 139.51,132.639 138.367,132.664 140.704,132.664 143.244,132.69 142.101,132.715 144.437,132.715 157.772,132.715 212.23,132.715 213.373,132.715 156.629,132.74 158.966,132.74 210.96,132.74 131.255,132.766 132.398,132.766 161.506,132.766 215.964,132.766 217.107,132.766 129.985,132.791 160.363,132.791 162.7,132.791 214.694,132.791 134.989,132.817 136.132,132.817 133.719,132.842 203.467,132.867 204.61,132.867 202.197,132.893 207.201,132.918 208.344,132.918 205.931,132.944 122.492,133.071 121.349,133.096 123.686,133.096 126.226,133.121 125.083,133.147 127.419,133.147 174.968,133.274 172.428,133.325 173.647,133.325 178.702,133.325 149.873,133.35 166.993,133.35 176.162,133.375 177.381,133.375 147.333,133.401 148.552,133.401 153.607,133.401 164.453,133.401 165.672,133.401 170.726,133.401 140.221,133.452 151.067,133.452 152.286,133.452 168.186,133.452 169.406,133.452 137.681,133.502 138.9,133.502 143.955,133.502 158.484,133.528 141.415,133.553 142.634,133.553 155.944,133.579 157.163,133.579 162.217,133.579 159.677,133.629 160.897,133.629 123.203,133.883 120.663,133.934 121.882,133.934 126.937,133.934 124.397,133.985 125.616,133.985 174.257,134.163 175.4,134.163 172.987,134.188 177.991,134.214 179.134,134.214 149.162,134.239 150.305,134.239 166.281,134.239 167.424,134.239 176.721,134.239 147.892,134.264 165.011,134.264 152.896,134.29 154.039,134.29 170.015,134.29 171.158,134.29 151.626,134.315 168.745,134.315 139.51,134.341 140.653,134.341 138.24,134.366 143.244,134.391 144.387,134.391 141.974,134.417 157.772,134.417 158.915,134.417 156.502,134.442 161.506,134.468 162.649,134.468 160.236,134.493 122.492,134.772 123.635,134.772 121.222,134.798 126.226,134.823 127.369,134.823 124.956,134.849
  other v2: 209.893,15.342 206.337,15.494 202.172,15.74 207.988,15.926 197.117,16.18 204.407,16.18 203.162,16.688 200.724,16.764 198.895,17.018 191.072,17.17 213.602,17.247 189.599,18.03 194.475,18.491 198.819,18.974 191.021,19.609 195.72,19.99 194.552,20.066 191.681,20.269 198.793,20.32 200.622,20.345 203.518,20.371 195.034,21.488 191.25,21.514 200.317,22.885 201.156,23.774 198.59,24.714 203.34,25.197 202.426,25.248 199.86,25.883 202.68,26.314 198.997,26.594 200.521,26.848 202.705,27.153 293.51,28.499 157.087,29.185 144.183,29.82 153.556,32.156 210.503,33.579 210.427,35.23 208.598,35.941 209.969,36.652 291.427,37.059 207.48,37.109 288.43,37.135 289.852,37.186 292.392,37.821 157.772,38.481 156.198,39.167 152.667,39.7 155.207,39.7 153.912,39.954 151.168,40.462 152.972,41.021 292.469,42.316 115.964,42.824 71.082,43.002 70.015,43.282 291.961,43.688 114.491,43.739 138.621,44.069 68.364,44.348 70.803,44.475 124.702,45.034 69.66,45.161 138.392,45.187 290.31,45.187 60.871,45.542 67.729,45.542 288.76,45.568 63.538,45.669 56.325,45.72 66.358,45.72 54.293,45.771 52.693,45.847 57.925,45.847 65.52,45.847 50.534,45.949 47.765,46.076 124.295,46.152 49.06,46.228 137.554,46.304 46.444,46.406 289.37,46.406 44.742,46.685 45.758,46.914 47.181,47.092 68.009,47.193 138.545,47.295 140.729,47.371 58.814,47.473 50.076,47.549 43.955,47.701 48.883,47.828 137.249,47.93 67.628,48.057 125.184,48.285 46.724,48.438 139.281,48.514 48.146,48.793 63.589,48.946 66.358,48.946 113.983,49.047 56.782,49.073 61.76,49.073 71.082,49.073 58.306,49.174 125.108,49.225 53.886,49.251 141.135,49.251 51.727,49.301 55.131,49.301 137.173,49.454 50.356,49.581 47.689,49.708 48.781,49.759 116.497,49.911 52.794,50.267 54.166,50.267 141.593,50.419 179.185,50.495 114.745,50.622 179.997,50.622 51.169,50.673 70.447,50.825 143.193,50.825 137.3,50.978 115.786,51.156 178.499,51.156 180.277,51.206 49.746,51.232 179.21,51.232 52.515,51.46 179.591,51.816 51.092,51.841 70.295,52.146 213.094,52.273 113.805,52.4 71.26,52.426 123.787,53.162 48.832,53.264 47.409,53.391 124.422,54.305 142.863,54.966 125.311,55.448 141.745,55.601 124.067,55.956 124.702,60.96 133.338,61.087 129.35,61.239 44.666,61.671 63.132,61.722 34.684,61.874 46.012,61.874 38.265,62.103 42.253,62.128 32.576,62.23 29.02,62.484 30.544,62.509 43.066,62.509 64.961,62.535 33.592,62.713 36.945,62.713 40.043,62.713 66.358,63.83 63.843,65.227 71.565,65.481 46.47,65.659 70.701,66.421 66.612,67.234 39.154,67.666 50.534,67.666 44.361,67.742 52.362,67.742 70.803,67.818 37.732,68.021 62.98,68.123 46.47,68.605 36.31,68.656 51.575,69.012 38.85,69.088 53.048,69.139 62.014,69.24 44.387,69.342 70.828,69.52 66.967,69.571 64.808,69.799 211.443,70.231 214.414,70.307 216.954,70.536 213.246,70.587 62.7,70.993 44.412,71.298 66.383,71.298 46.47,71.349 215.253,71.45 70.828,71.501 72.276,71.78 62.192,72.542 44.412,72.796 174.155,73.05 46.546,73.152 73.063,73.431 134.887,73.482 216.091,73.482 61.557,73.609 133.261,74.041 136.487,74.32 174.333,74.422 64.351,74.574 62.421,74.625 61.913,75.971 134.582,76.022 64.427,76.149 71.59,76.302 132.957,76.835 138.291,76.886 63.462,76.962 62.192,77.445 136.64,77.673 64.427,77.927 71.336,78.105 134.557,78.13 140.297,78.461 73.089,78.664 159.042,79.121 154.648,79.324 138.773,79.553 156.909,79.629 151.321,80.213 142.228,80.467 140.729,81.534 136.436,81.864 138.545,81.915 133.414,81.966 143.269,82.169 287.439,83.414 289.421,83.414 289.014,84.811 287.744,85.293 286.652,85.598 295.034,85.877 294.043,87.859 295.821,87.859 292.469,88.544 289.802,90.322 294.653,90.322 291.884,91.415 293.459,93.574 289.116,97.333 291.199,97.917 289.319,98.425 289.217,100.787 276.289,101.473 274.409,101.879 279.337,101.879 288.024,102.565 277.864,102.667 276.594,103.759 287.033,103.937 286.068,105.131 285.077,106.324 283.401,107.899 282.105,109.372 271.056,110.261 280.226,110.566 281.521,111.735 268.999,112.243 279.54,112.522 276.975,114.021 275.197,115.976 276.771,116.484 272.936,117.653 274.612,117.958 271.056,120.218 269.482,121.514 265.138,124.181 263.665,124.663 259.322,127.229 257.848,127.533 255.664,127.635
  other v3: 275.628,3.302 275.451,5.105 258.052,6.198 259.855,6.248 262.116,7.417 265.773,7.747 257.925,8.966 264.046,9.398 36.106,9.525 36.818,10.795 35.497,10.846 275.959,11.659 276.975,11.735 287.998,11.913 40.755,12.497 274.155,12.827 286.906,13.208 41.593,13.462 268.897,13.945 267.373,14.072 261.404,14.503 262.751,14.503 38.951,15.138 30.852,15.319 27.191,15.469 260.312,15.519 29.452,15.621 19.063,15.799 39.764,16.027 261.531,17.018 30.442,17.17 40.501,17.323 19.571,17.729 39.51,17.983 38.316,18.872 281.369,19.126 282.969,19.533 20.282,19.888 279.87,20.091 24.499,21.184 21.044,22.225 24.626,22.225 39.18,22.936 271.844,23.444 30.671,23.825 273.317,23.851 38.215,23.901 272.479,24.943 271.133,25.197 279.743,26.086 283.172,26.746 281.826,27 24.346,27.889 298.133,34.366 298.514,40.03 282.867,45.568 283.502,46.965 232.347,51.613 223.863,77.749 221.501,78.105 226.835,78.105 224.803,78.994 218.021,80.035 215.989,83.464 215.938,87.325 14.948,95.656 16.32,96.088 263.513,96.088 265.011,97.333 17.31,97.409 16.015,97.536 266.611,97.663 19.622,98.12 14.643,98.196 16.091,98.704 17.895,98.755 255.766,98.908 18.987,99.212 49.645,99.339 257.34,99.466 17.107,100.279 48.552,100.508 19.342,100.94 49.772,100.94 47.765,101.879 19.698,102.591 18.911,102.743 243.37,119.685 244.564,120.091 243.701,120.777
LCD-PWM: J2.19 U10.6 | length 225.6
  Top Layer w0.25: v1@183.376,82.499 v1(183.376,85.573) ; v1(192.302,85.482) 202.389,85.482 v1(202.375,85.496) ; v1(214.973,30.302) 216.802,32.131 v1(216.802,32.156)
  Bottom Layer w0.25: J2.19@89.264,73.983 101.867,73.983 ; 102.038,73.983 101.867,73.983 ; 145.784,81.686 145.669,81.572 ; v1@183.376,82.499 183.376,82.575 183.198,82.753 146.85,82.753 145.669,81.572 ; v1(183.376,85.573) 183.466,85.482 191.834,85.482 ; U10.6@191.187,42.093 191.187,38.821 194.475,35.533 194.475,30.683 194.933,30.226 214.897,30.226 v1(214.973,30.302) ; v1@192.062,85.482 191.834,85.482 ; v1(192.302,85.482) 191.834,85.482 ; v1(202.375,85.496) 210.503,85.496 219.393,76.606 219.393,32.864 218.671,32.142 216.817,32.142 v1(216.802,32.156) ; 101.867,73.983 112.557,73.983 114.445,72.095 136.192,72.095 145.669,81.572
  other v1: 183.325,82.55
LED_BK: R75.1 R76.1 U10.8 | length 225.4
  Top Layer w0.25: v1@192.549,9.83 v1(192.57,9.83) v1(194.196,9.83) ; v1(192.57,32.817) 192.596,32.791 v1@192.596,21.895
  Bottom Layer w0.25: R76.1@70.755,10.686 73.681,10.686 74.537,9.83 v1(192.57,9.83) ; U10.8@190.187,42.093 190.187,38.35 192.57,35.966 v1(192.57,32.817) ; 192.57,19.355 v1(192.57,9.83) ; v1(192.57,21.895) v1(192.57,9.83) ; v1@194.196,9.804 200.648,9.804 204.965,5.487 R75.1@251.247,5.487
LED_LEFT: RL68.1 U10.102 | length 67.6
  Top Layer w0.25: v1@203.823,112.878 v1(203.823,124.079)
  Bottom Layer w0.25: U10.102@190.687,64.093 190.687,67.636 194.247,71.196 194.247,96.291 203.823,105.867 v1@203.823,113.03 ; v1(203.823,124.079) RL68.1@203.823,126.086
  other v1: 203.823,112.928
LED_RIGHT: RL9.1 U10.103 | length 68.9
  Top Layer w0.25: v1(204.813,123.673) 204.839,123.698 v1(204.839,113.03)
  Bottom Layer w0.25: U10.103@191.187,64.093 191.187,67.349 194.747,70.909 194.747,96.004 204.813,106.07 v1@204.813,113.03 ; v1(204.813,123.673) 204.813,125.324 RL9.1@206.21,126.721
MCU-CLK: R149.2 U10.70 | length 85.3
  Bottom Layer w0.25: R149.2@102.466,65.243 102.761,64.948 135.776,64.948 144.59,73.762 167.526,73.762 171.567,69.721 171.567,61.643 172.367,60.843 U10.70@173.937,60.843
MCU-CS: R152.2 U10.71 | length 89.5
  Bottom Layer w0.25: R152.2@98.118,66.139 98.223,66.243 136.03,66.243 144.361,74.574 167.45,74.574 172.09,69.934 172.09,61.84 172.587,61.343 U10.71@173.937,61.343
MCU-MISO: R138.2 U10.68 | length 85.9
  Bottom Layer w0.25: R138.2@102.506,62.71 102.782,62.433 135.497,62.433 145.377,72.314 167.45,72.314 170.487,69.277 170.487,67.361 ; 170.487,67.769 170.487,67.361 ; U10.68@173.937,59.843 171.919,59.843 170.487,61.276 170.487,67.361
MCU-MOSI: R148.2 U10.69 | length 89.7
  Bottom Layer w0.25: R148.2@98.118,63.57 98.252,63.703 135.674,63.703 144.996,73.025 167.526,73.025 171.037,69.514 171.037,61.437 172.13,60.343 U10.69@173.937,60.343
METER1_1: M1.1 RP11.5 | length 7.5
  Bottom Layer w0.25: M1.1@49.944,15.103 50.581,15.74 RP11.5@57.166,15.74
METER1_2: M1.2 RP11.6 | length 18.1
  Bottom Layer w0.25: M1.2@44.538,9.733 44.538,14.248 46.93,16.64 RP11.6@57.166,16.64
METER1_3: M1.3 RP11.7 | length 32.3
  Bottom Layer w0.25: M1.3@28.338,25.898 37.895,25.898 46.252,17.54 RP11.7@57.166,17.54
METER1_4: M1.4 RP11.8 | length 28.7
  Bottom Layer w0.25: M1.4@33.744,31.268 46.571,18.44 RP11.8@57.166,18.44
METER2_1: M2.1 RP12.5 | length 31.9
  Bottom Layer w0.25: RP12.5@252.333,23.274 263.403,23.274 271.777,14.9 M2.1@280.805,14.9
METER2_2: M2.2 RP12.6 | length 28.4
  Bottom Layer w0.25: RP12.6@252.333,22.374 252.337,22.377 258.839,22.377 262.551,22.377 M2.2@275.399,9.53
METER2_3: M2.3 RP12.7 | length 8.6
  Top Layer w0.25: v1(254.953,21.514) 259.134,25.695 M2.3@259.198,25.695
  Bottom Layer w0.25: RP12.7@252.333,21.474 254.913,21.474 v1(254.953,21.514)
METER2_4: M2.4 RP12.8 | length 18.1
  Top Layer w0.2: v1(256.02,21.565) 258.483,24.028 260.033,24.028 262.183,26.179 262.183,28.643 M2.4@264.605,31.065
  Bottom Layer w0.2: RP12.8@252.333,20.574 255.029,20.574 v1(256.02,21.565)
MODA: R1.1 U10.67 | length 60.5
  Bottom Layer w0.25: R1.1@127.775,58.674 133.642,58.674 146.114,71.145 166.637,71.145 169.987,67.795 169.987,66.548 ; 169.987,66.893 169.987,66.548 ; U10.67@173.937,59.343 171.679,59.343 169.987,61.035 169.987,66.548
MODE_CTRL: R153.2 U10.74 | length 84.8
  Bottom Layer w0.25: R153.2@102.476,67.776 102.789,67.462 136.233,67.462 144.107,75.336 169.71,75.336 175.552,69.494 175.552,67.285 176.687,66.15 U10.74@176.687,64.093
NetBT1_1: BT1.1 U7.3 | length 31.5
  Bottom Layer w0.5: U7.3@215.912,18.335 217.182,18.335 218.512,17.005 219.901,17.005 ; 220.847,17.005 219.901,17.005 ; BT1.1@244.488,13.564 239.408,13.564 235.966,17.005 219.901,17.005
NetC4_1: C4.1 U2.5 | length 2
  Bottom Layer w0.35: C4.1@121.679,50.8 121.679,52.819 U2.5@121.689,52.828
NetC7_1: C7.1 R12.1 | length 3
  Bottom Layer w0.35: C7.1@46.368,77.876 C7.1@46.114,78.13 R12.1@48.756,78.13
NetC8_1: C8.1 R13.1 | length 2.4
  Bottom Layer w0.25: C8.1@47.613,55.194 47.689,55.27 R13.1@50,55.27
NetC19_1: C19.1 DW300.2 L302.1 U300.8
NetC19_2: C19.2 R162.1 U300.7 | length 11.6
  Top Layer w0.5: v1(176.746,103.48) 177.559,104.292 v1(177.559,106.299)
  Bottom Layer w0.5: R162.1@175.476,100.178 175.507,100.208 C19.2@178.219,100.208 ; 176.746,100.221 v1(176.746,103.48) ; v1@177.283,106.277 U300.7@176.2,106.277 v1@177.559,106.277
NetC26_1: C26.1 R44.1 R182.2 RP6.1 | length 41.1
  Top Layer w0.25: v1(236.97,85.217) v1(236.97,93.982)
  Bottom Layer w0.25: R44.1@234.176,99.492 236.97,96.698 v1(236.97,93.982) 234.941,93.982 RP6.1@234.915,93.956 RP6.1@234.77,93.956 ; C26.1@234.247,80.342 234.247,82.495 v1(236.97,85.217) ; v1@236.97,93.956 250.599,93.956 R182.2@253.306,96.663
NetC27_1: C27.1 R71.1 R183.2 RP6.2 | length 38.8
  Top Layer w0.25: v1@237.859,85.242 v1(237.859,93.056) v1(237.859,94.793)
  Bottom Layer w0.25: RP6.2@234.915,93.056 v1(237.859,93.056) 252.412,93.056 252.772,93.417 R183.2@252.772,94.154 ; C27.1@236.57,80.342 236.57,82.455 237.859,83.744 v1(237.859,85.141) ; R71.1@236.7,99.471 237.859,98.313 v1(237.859,94.793)
NetC28_1: C28.1 R91.1 R186.2 RP6.3 | length 39.2
  Top Layer w0.25: v1(249.162,86.004) v1(249.162,92.156) v1@249.162,96.164
  Bottom Layer w0.25: 235.499,92.156 v1(249.162,92.156) 252.582,92.156 R186.2@253.306,91.432 ; R91.1@245.971,99.471 245.971,99.355 v1@249.2,96.126 ; C28.1@247.739,80.391 247.739,82.271 249.162,83.693 v1(249.162,86.004)
  other v1: 249.136,96.114
NetC29_1: C29.1 R92.1 R187.2 RP6.4 | length 39.2
  Top Layer w0.25: v1(243.142,85.928) v1(243.142,91.211) ; v1@243.142,91.256 v1(243.142,91.211) ; v1@243.142,94.691 v1(243.142,91.211)
  Bottom Layer w0.25: RP6.4@234.915,91.256 250.793,91.256 253.306,88.744 R187.2@253.306,88.711 ; RP6.4@235.295,91.296 RP6.4@235.415,91.296 ; v1(243.142,85.928) 243.142,80.904 C29.1@243.653,80.393 ; v1(243.142,94.717) 243.142,98.928 R92.1@243.685,99.471 R92.1@243.65,99.436
NetC31_1: C31.1 R166.1 R191.2 RP8.2 | length 39.9
  Top Layer w0.25: v1(241.262,86.106) v1(241.262,87.778) 241.272,87.788 v1(241.272,94.732)
  Bottom Layer w0.25: 235.499,87.778 v1(241.262,87.778) 250.665,87.778 251.778,86.665 251.778,84.795 R191.2@253.306,83.267 ; v1(241.262,86.106) 241.262,80.461 C31.1@241.33,80.393 ; v1(241.272,94.732) 241.272,95.479 R166.1@241.272,99.471
NetC33_1: C33.1 R113.1 R199.2 RP8.4 | length 34.1
  Top Layer w0.25: v1(236.233,95.453) 236.248,95.468 238.504,95.468 239.002,94.971 v1(239.002,94.742) v1@239.002,85.979
  Bottom Layer w0.25: R199.2@231.483,98.495 231.483,96.291 232.321,95.453 v1(236.233,95.453) ; RP8.4@234.937,85.956 RP8.4@234.915,85.978 ; 235.557,85.978 RP8.4@234.915,85.978 ; R113.1@238.986,99.471 239.002,99.456 v1(239.002,94.742) ; C33.1@239.002,80.366 v1@239.002,85.649 ; v1@239.002,85.979 239,85.978 RP8.4@234.915,85.978
  other v1: 239.002,85.903
NetC34_1: C34.1 U10.96 | length 8
  Bottom Layer w0.25: U10.96@187.687,64.093 C34.1@187.687,72.113
NetC40_1: C40.1 R119.1 R206.2 RP15.4 | length 37.8
  Top Layer w0.25: v1(251.194,47.549) v1(255.063,47.549) v1(260.033,47.549)
  Bottom Layer w0.25: C40.1@247.358,47.981 247.79,47.549 v1(251.194,47.549) ; RP15.4@255.063,40.308 v1(255.063,47.549) 255.063,48.776 258.086,51.8 R206.2@258.255,51.8 ; v1(260.033,47.549) 271.514,47.549 R119.1@271.92,47.955
NetC41_1: C41.1 R120.1 R205.2 RP15.3 | length 45.2
  Top Layer w0.25: v1(251.702,46.761) v1(254.191,46.761) 254.216,46.736 v1(260.465,46.736)
  Bottom Layer w0.25: C41.1@243.116,47.007 243.387,46.736 251.676,46.736 v1(251.702,46.761) ; RP15.3@254.163,40.308 254.163,50.477 R205.2@255.486,51.8 ; v1(260.465,46.736) 276.06,46.736 R120.1@276.111,46.787
NetC42_1: C42.1 R121.1 R203.2 RP15.2 | length 45.6
  Top Layer w0.25: v1(251.524,48.412) v1(253.276,48.412) 260.642,48.412 v1(260.769,48.285)
  Bottom Layer w0.25: C42.1@243.116,49.454 243.37,49.2 250.736,49.2 v1(251.524,48.412) ; R203.2@252.718,51.8 253.263,51.255 RP15.2@253.263,40.308 ; v1(260.769,48.285) 269.659,48.285 270.574,49.2 276.086,49.2 R121.1@276.111,49.225
NetC43_1: C43.1 R122.1 R201.2 RP15.1 | length 35.7
  Top Layer w0.25: v1(252.362,41.783) v1(260.084,41.783)
  Bottom Layer w0.25: C43.1@247.358,50.47 247.765,50.876 249.025,50.876 R201.2@249.949,51.8 252.377,49.372 v1@252.377,41.783 ; v1(252.362,41.783) v1@252.377,41.783 ; RP15.1@252.363,40.308 252.377,40.322 v1@252.377,41.783 ; v1(260.084,41.783) 260.098,41.798 269.34,41.798 270.701,40.437 R122.1@271.869,40.437
NetC44_1: C44.1 R123.1 R214.2 RP17.4 | length 53.1
  Top Layer w0.25: v1(251.448,42.316) 251.6,42.469 v1(259.203,42.469)
  Bottom Layer w0.25: C44.1@243.116,42.113 243.252,41.977 251.108,41.977 v1(251.448,42.316) ; RP17.4@259.203,40.308 v1(259.203,42.469) ; R214.2@269.329,51.8 269.262,51.8 266.434,48.971 259.779,48.971 259.203,48.395 v1(259.203,42.469) ; R123.1@276.111,41.834 270.548,41.834 269.913,42.469 v1(259.203,42.469)
NetC45_1: C45.1 R124.1 R209.2 RP17.3 | length 42.9
  Top Layer w0.25: v1(251.524,43.307) 258.28,43.307 v1(258.306,43.332) 260.261,43.332 v1(260.287,43.307)
  Bottom Layer w0.25: C45.1@247.358,43.002 247.663,43.307 v1(251.524,43.307) ; RP17.3@258.303,40.308 258.303,48.841 258.941,49.479 264.24,49.479 R209.2@266.561,51.8 ; v1(260.287,43.307) 271.615,43.307 R124.1@271.92,43.002
NetC46_1: C46.1 R125.1 R208.2 RP17.2 | length 50.4
  Top Layer w0.25: v1(251.524,44.221) 257.377,44.221 v1(257.403,44.247) v1(260.16,44.247)
  Bottom Layer w0.25: C46.1@243.116,44.56 243.455,44.221 250.432,44.221 ; v1@251.346,44.221 250.432,44.221 ; v1(251.524,44.221) 250.432,44.221 ; RP17.2@257.403,40.308 v1(257.403,44.247) 257.403,49.161 258.229,49.987 261.979,49.987 R208.2@263.792,51.8 ; v1(260.16,44.247) 276.06,44.247 R125.1@276.111,44.298